# Altium PCB PCB.PcbDoc (part 1 of 7)
Units mil, origin at the board's own origin, x right, y up, seen from the top; angles counter-clockwise.
Board outline 3937.01 x 2165.35 mil, 6 copper layers (Top, PWR, Signal 1, Signal 2, GND, Bottom), stack 64.961 mil thick; 271 components, 335 nets, 1191 pads, 518 vias.
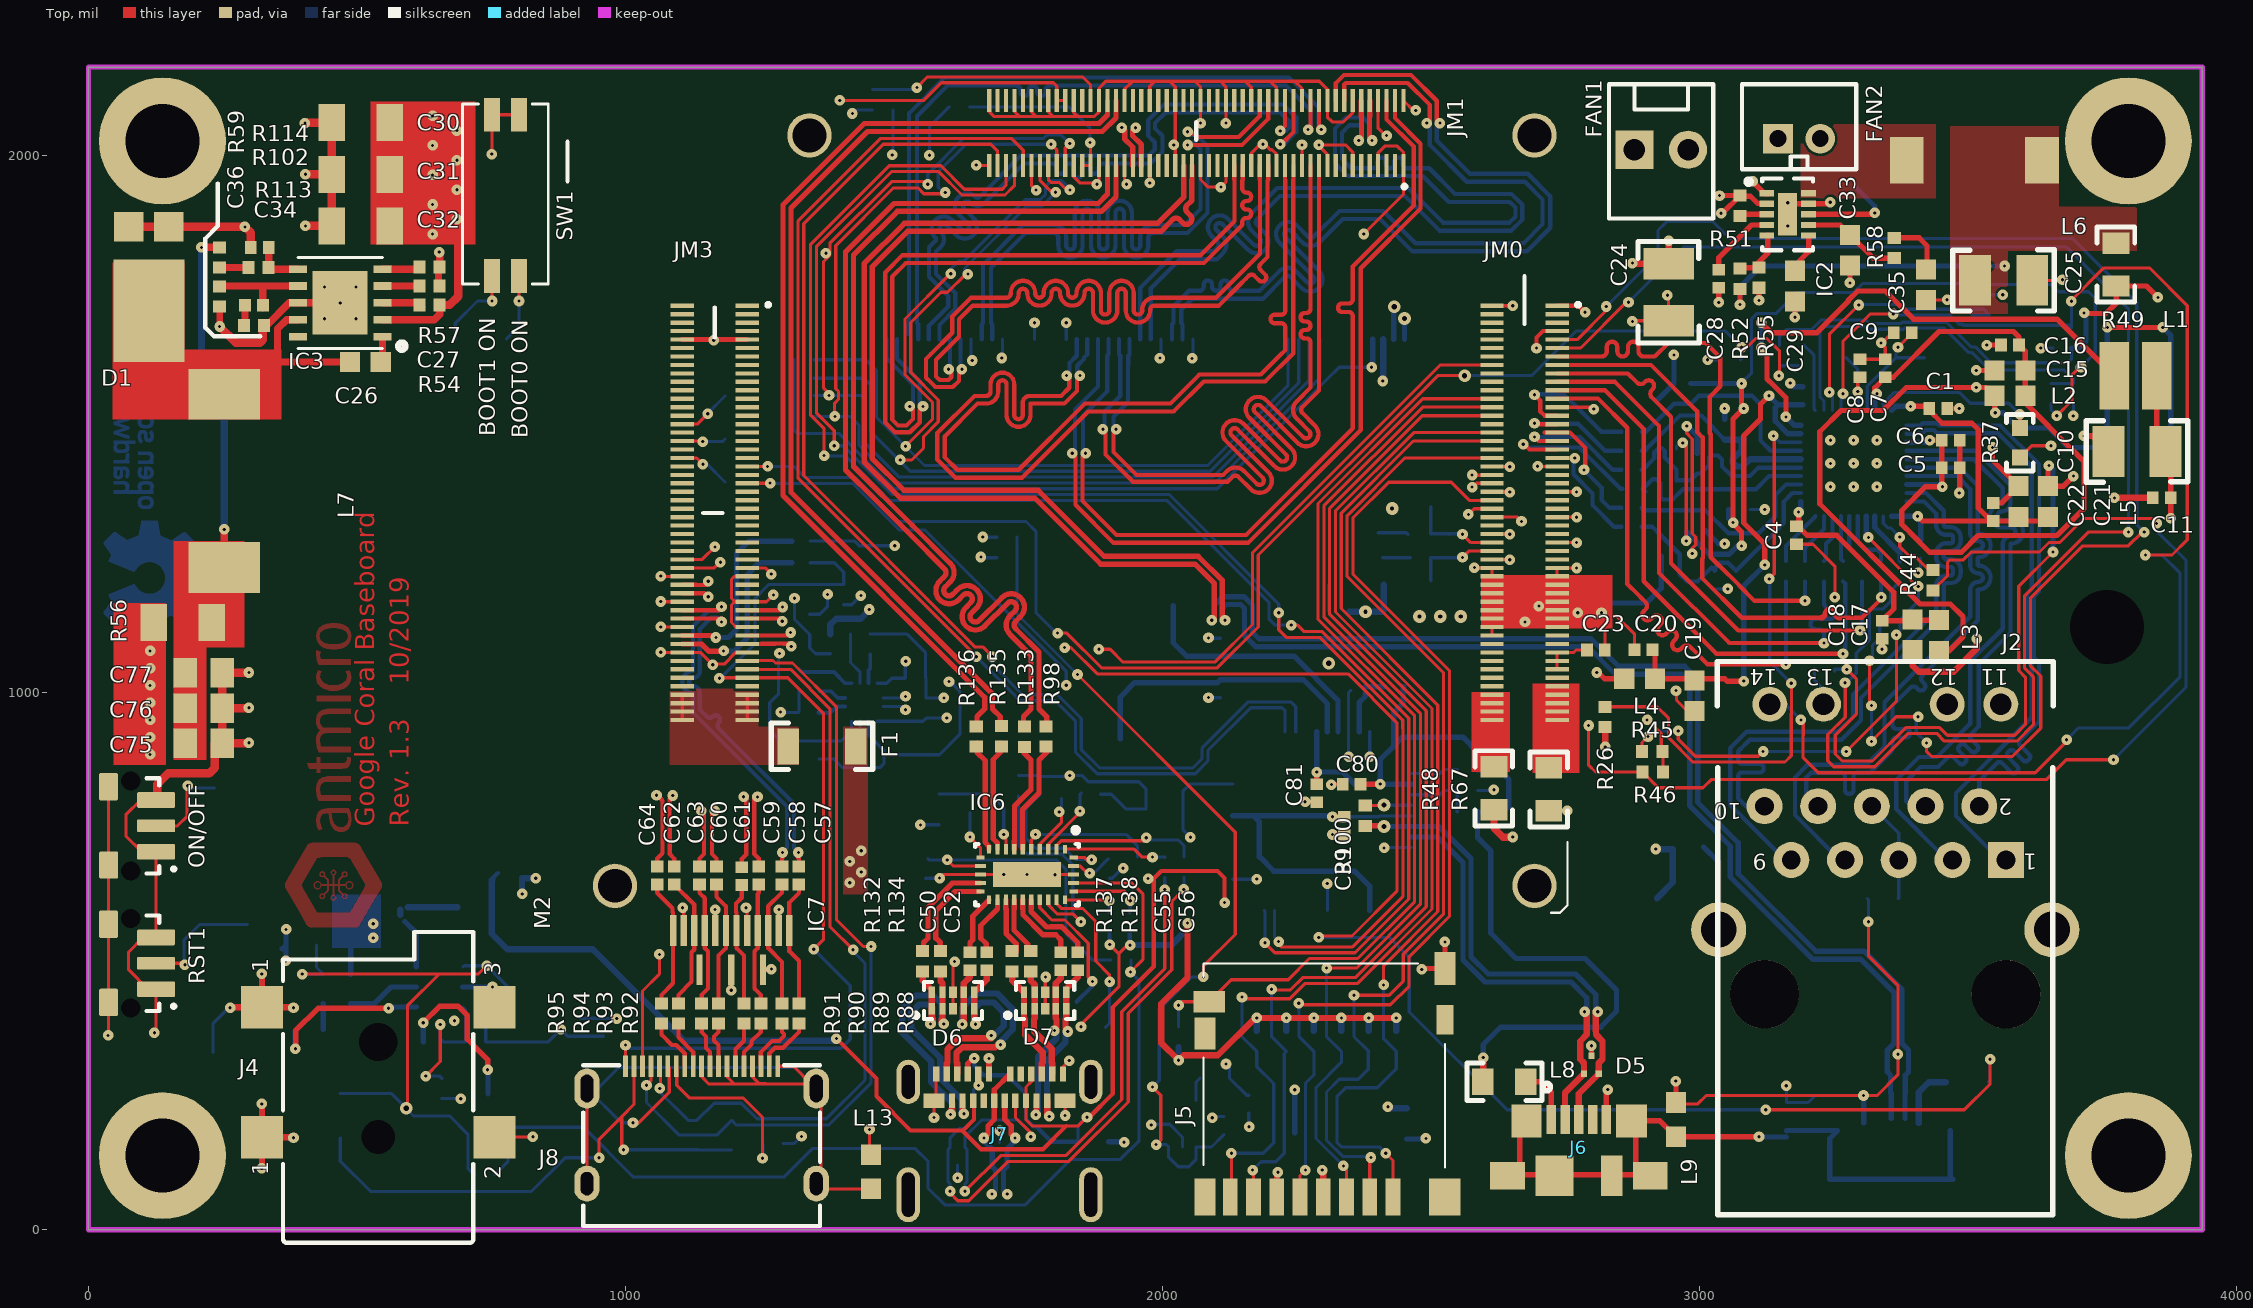
[diagram p0: Top view]
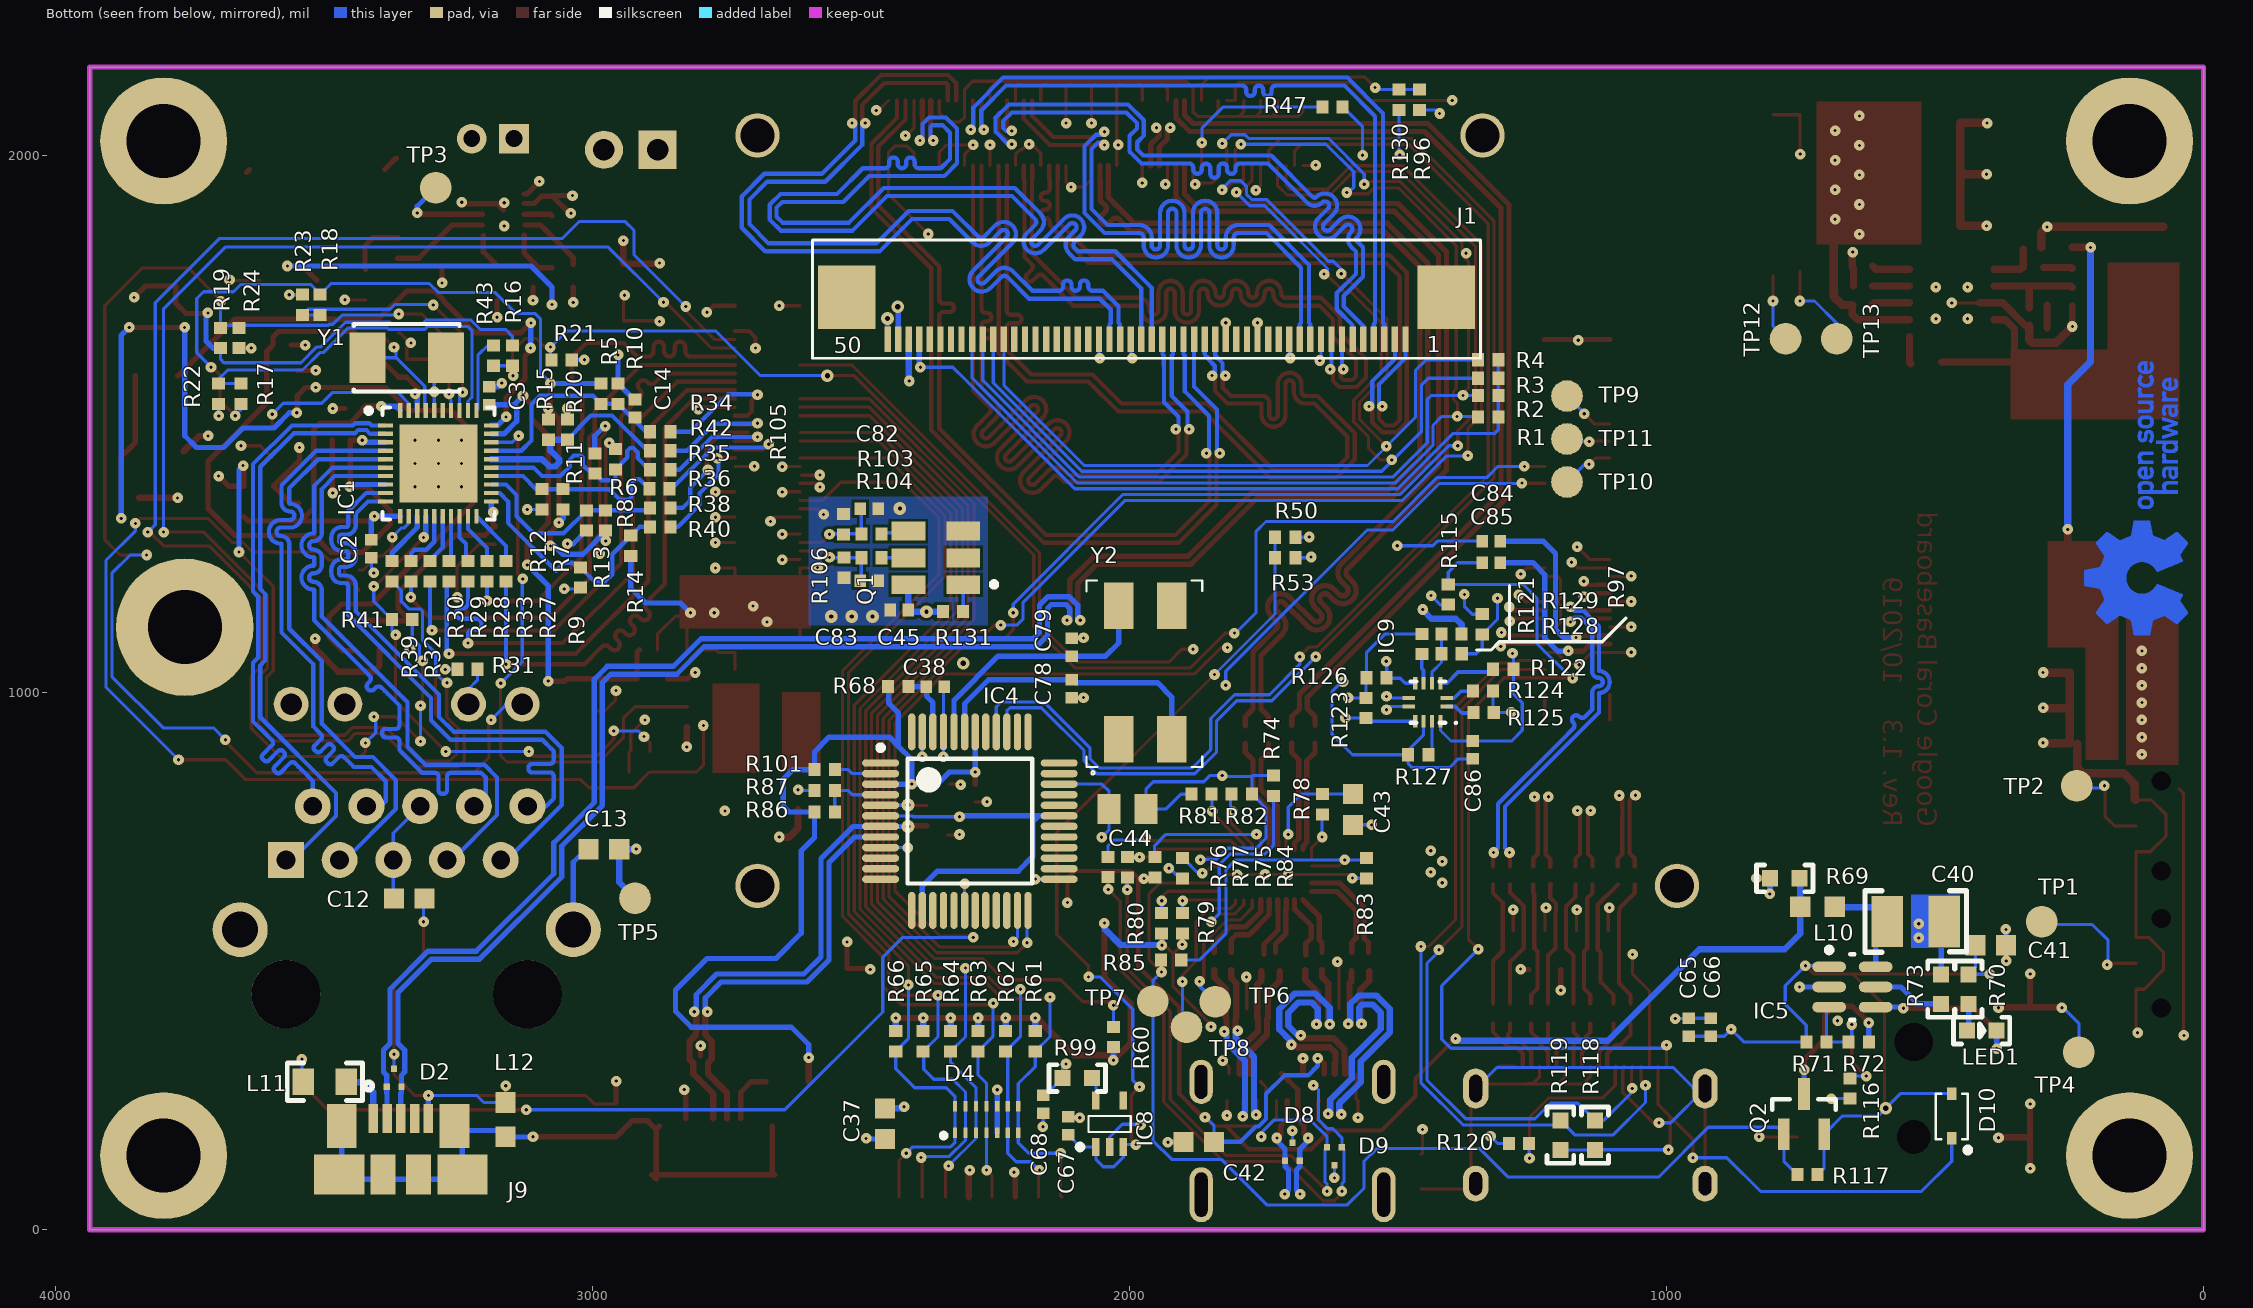
[diagram p1: Bottom view, seen from below]
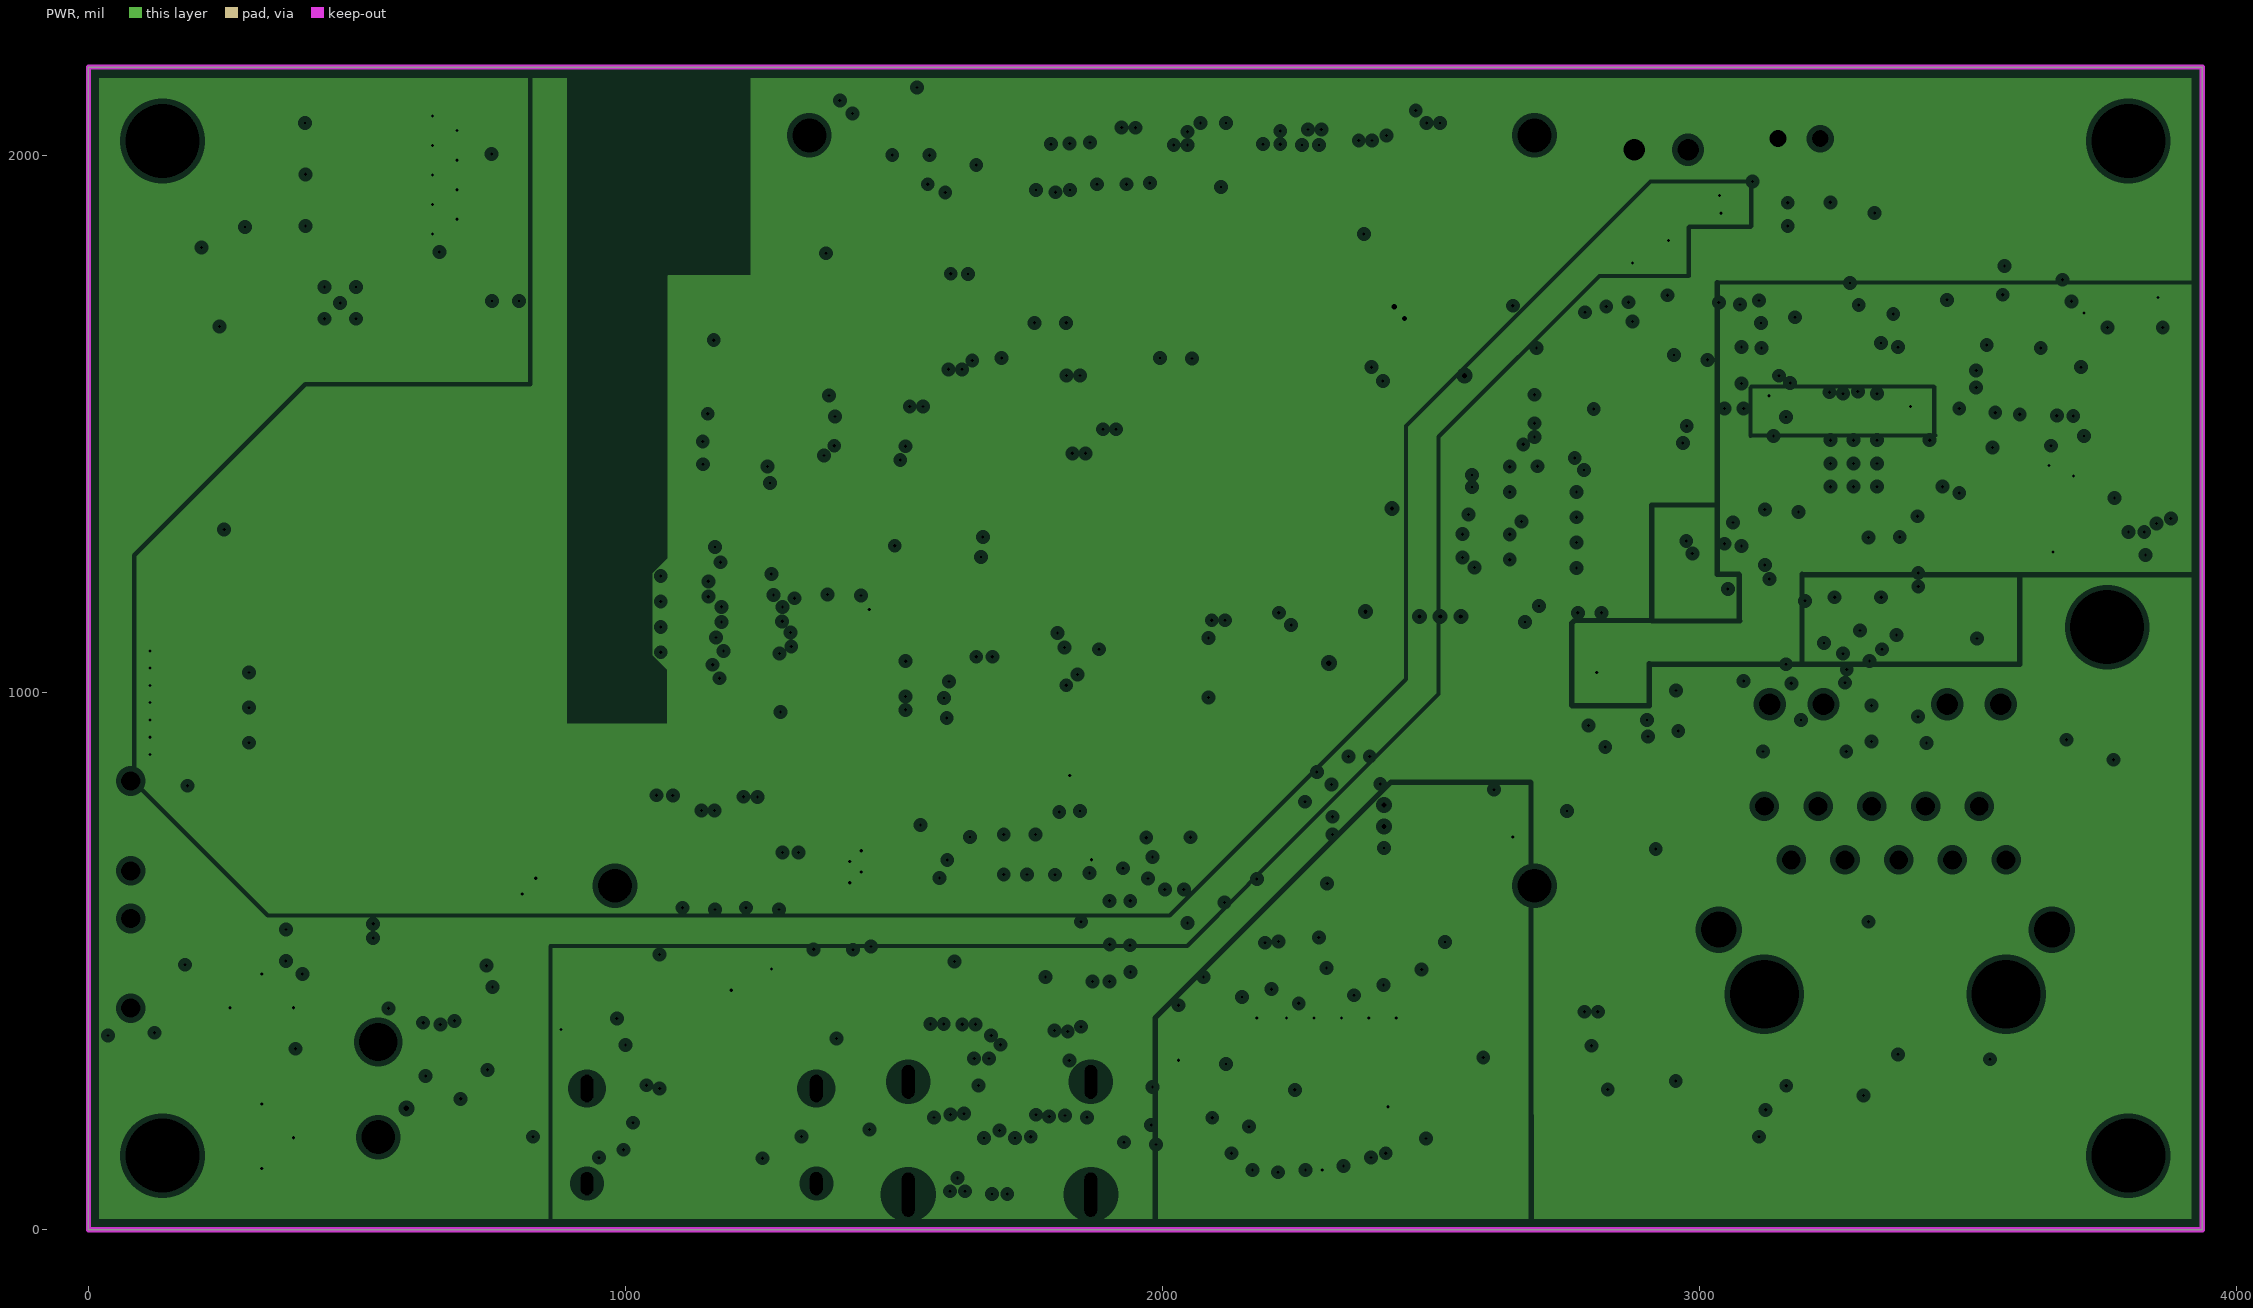
[diagram p2: PWR, clearances drawn from the general rule]
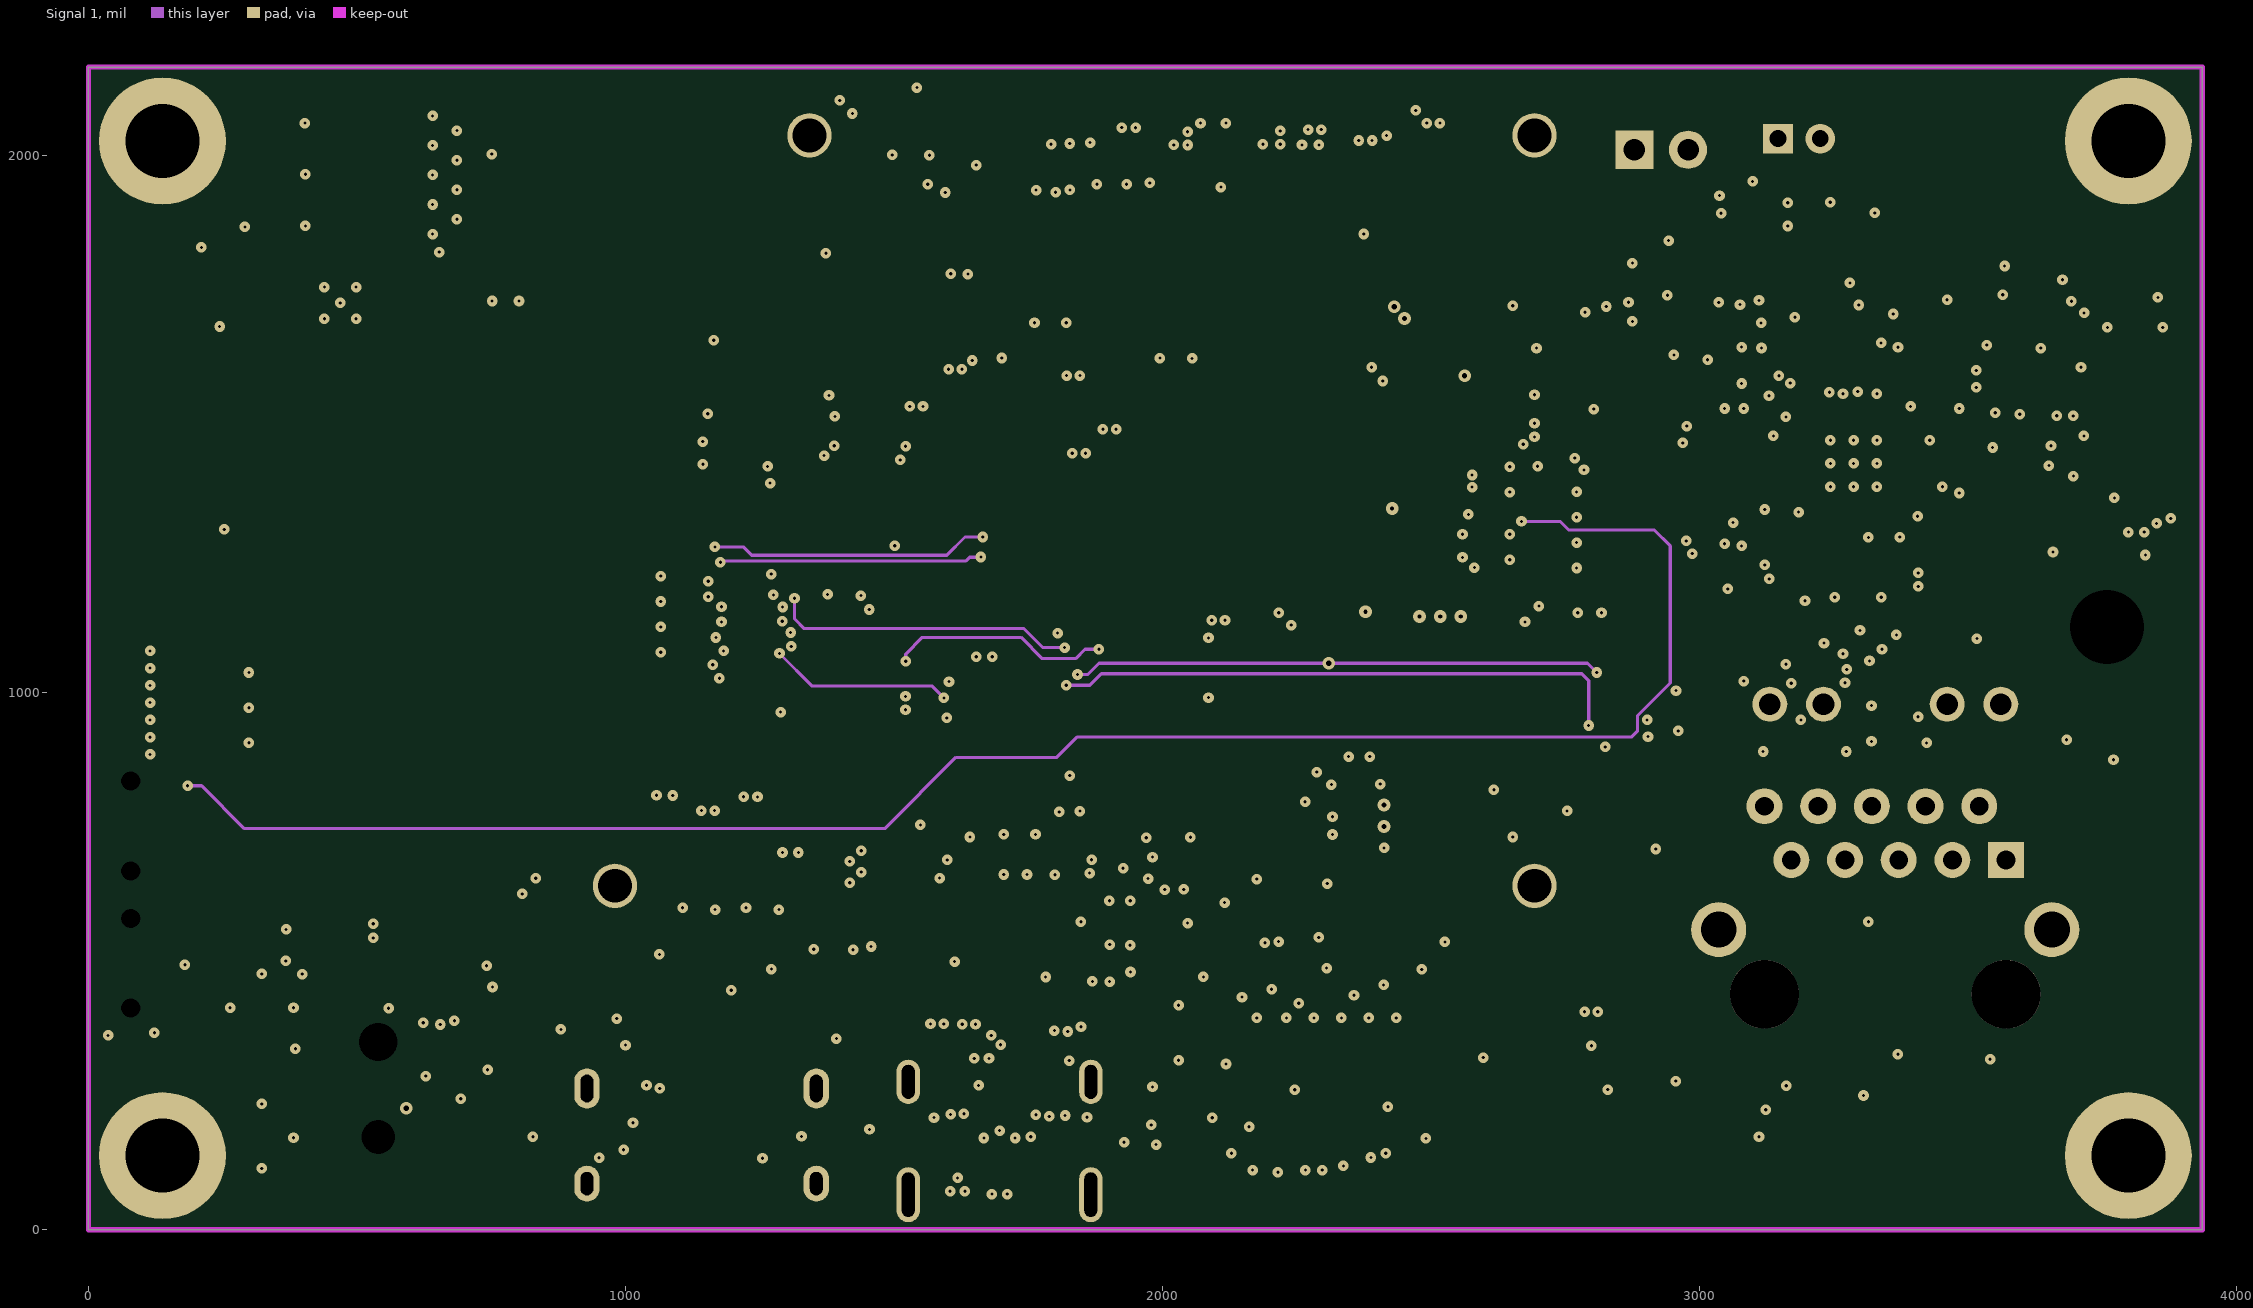
[diagram p3: Signal 1]